# Altium PCB eco_car_main_pcb_ver1.0.PcbDoc
Units mm, origin at the board's own origin, x right, y up, seen from the top; angles counter-clockwise.
Board outline 77.85 x 28.32 mm, 4 copper layers (Top Layer, GND, POWER, Bottom Layer), stack 0.603 mm thick; 52 components, 61 nets, 217 pads, 151 vias.
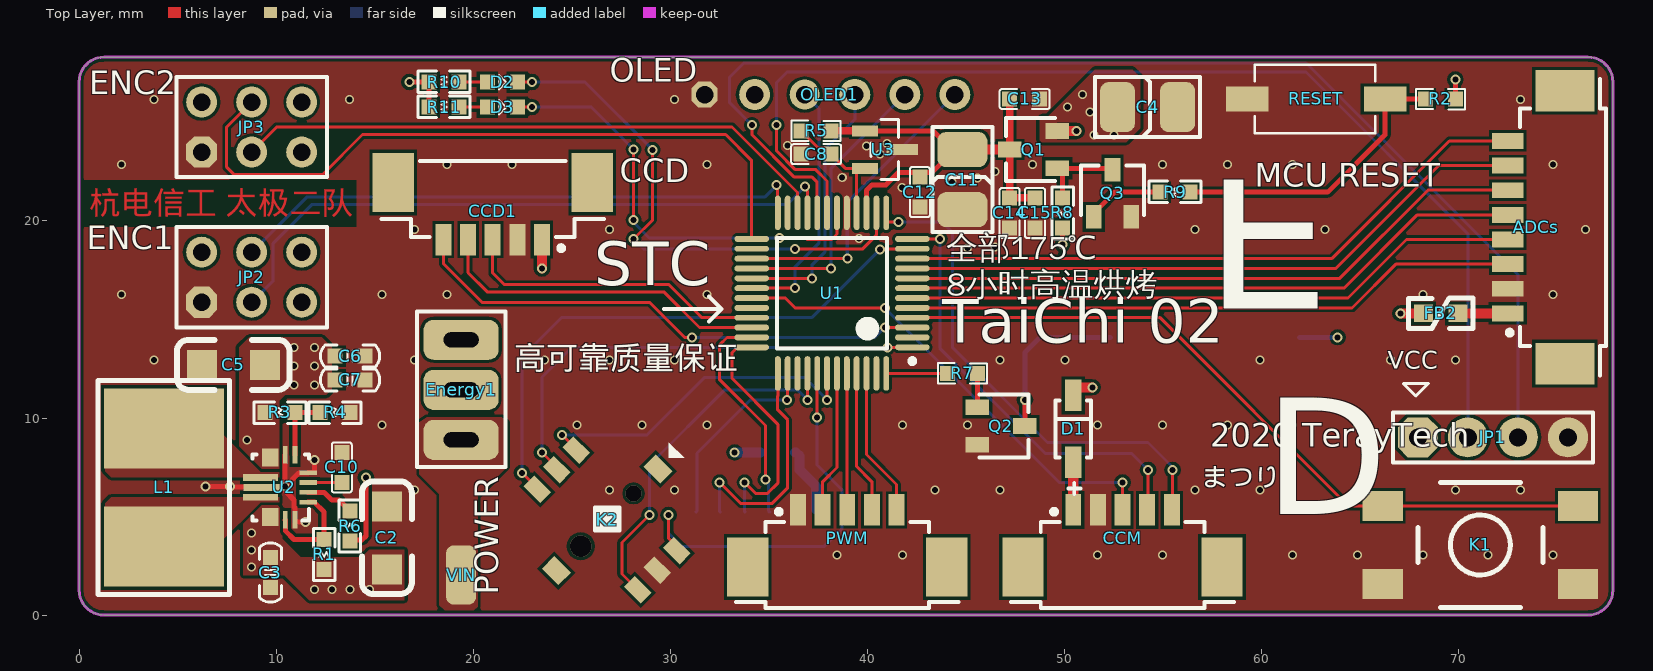
[diagram p0: Top Layer view]
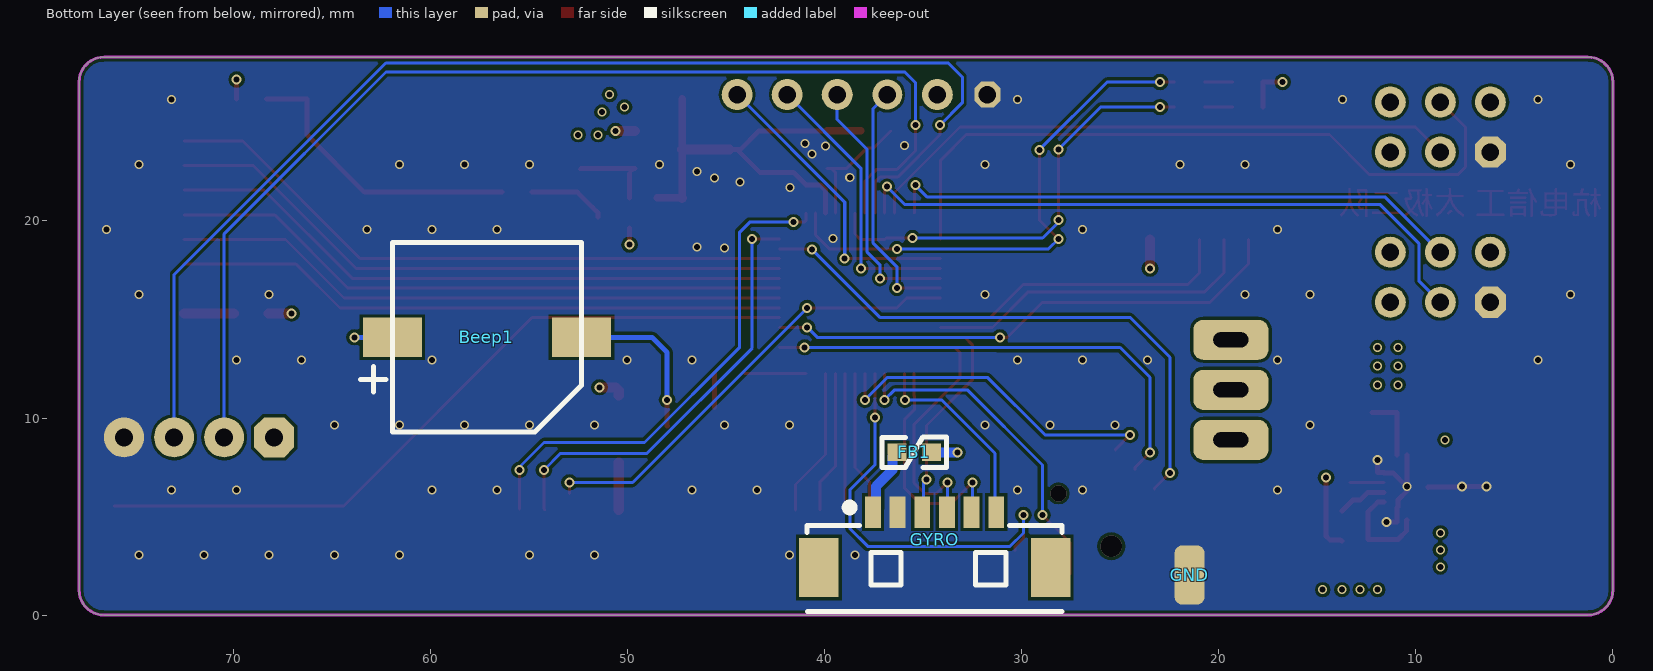
[diagram p1: Bottom Layer view, seen from below]
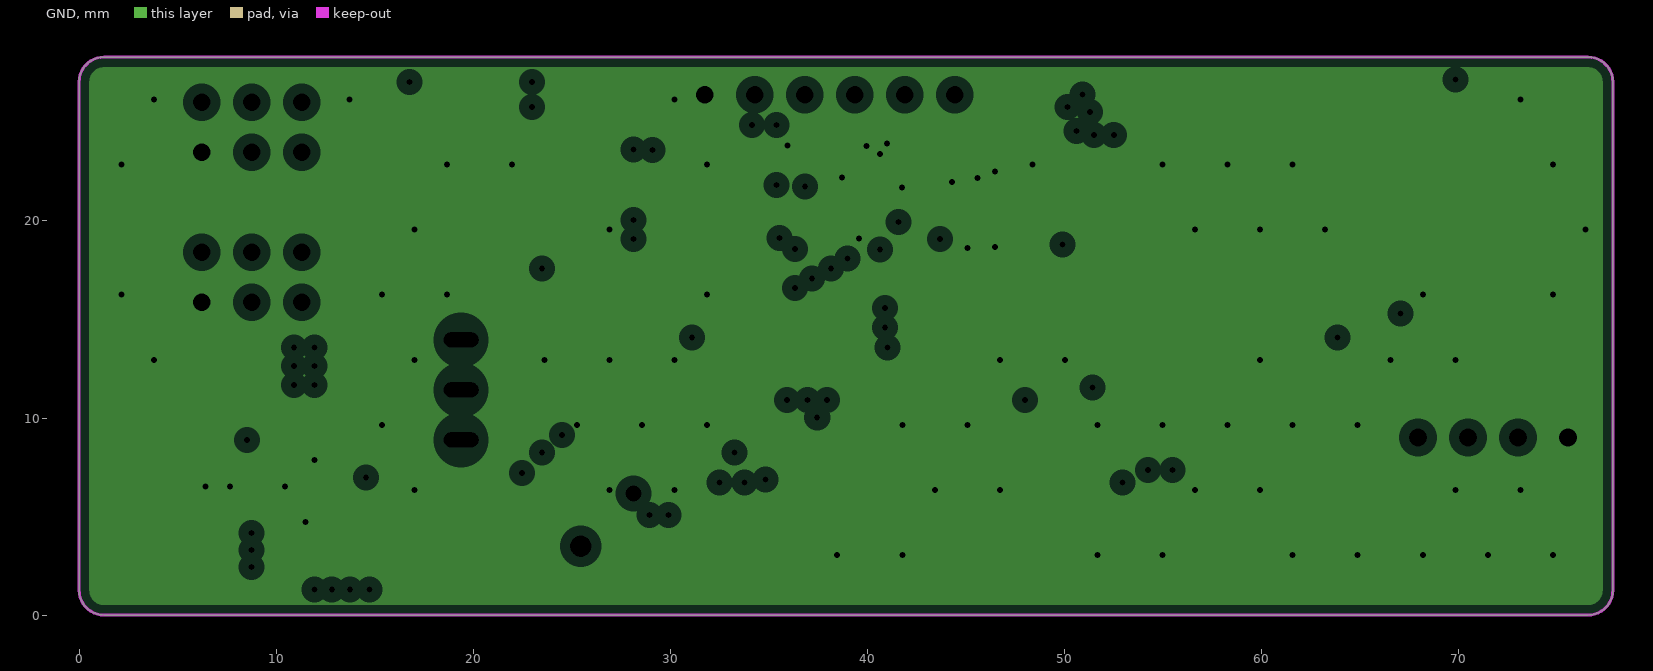
[diagram p2: GND, clearances drawn from the general rule]
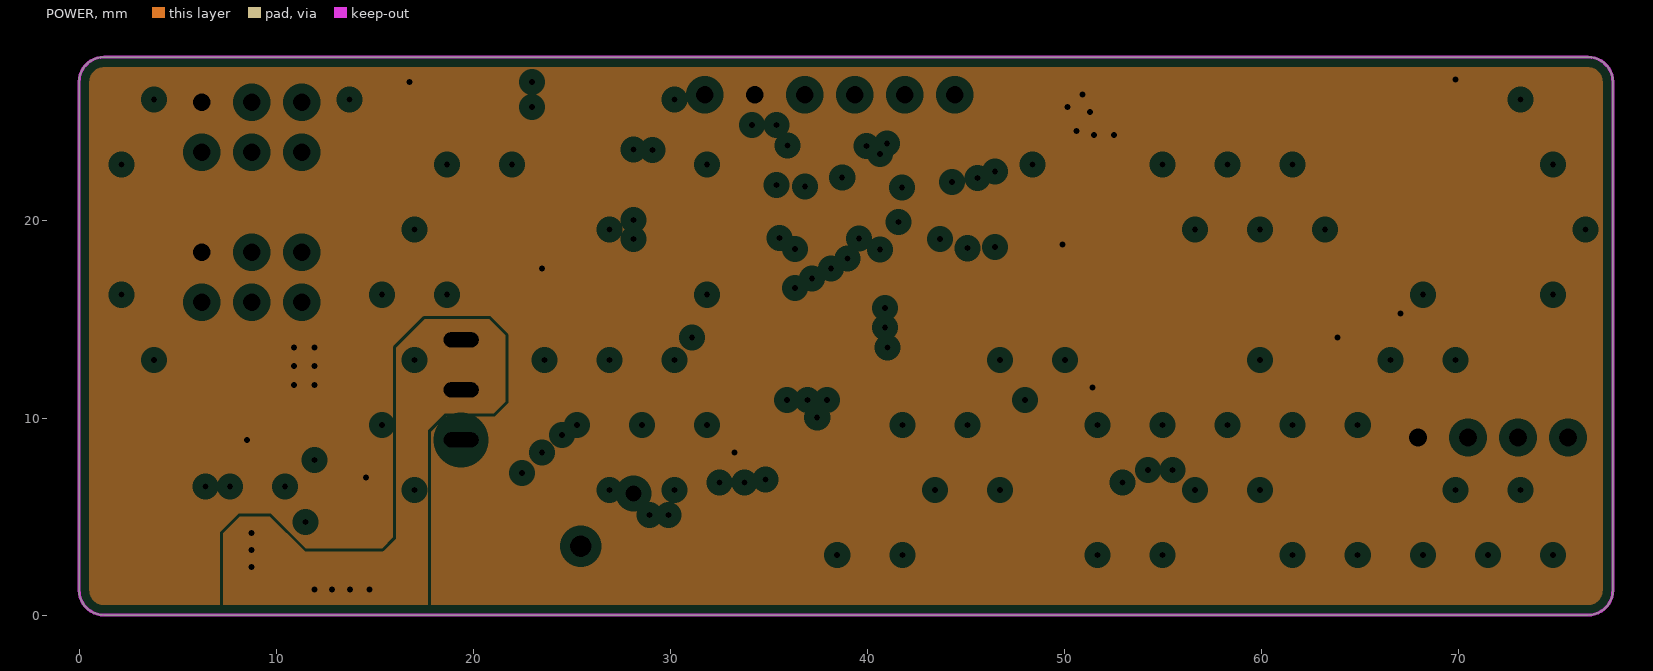
[diagram p3: POWER, clearances drawn from the general rule]
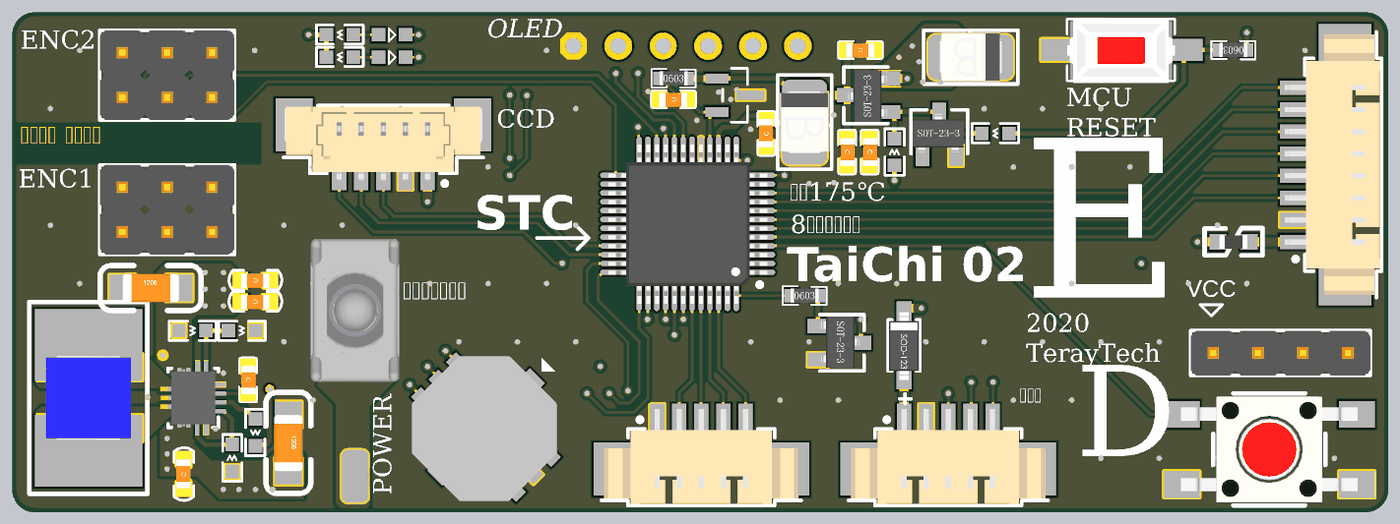
[diagram p4: 3D render of the assembled board from above, using the file's embedded part models]
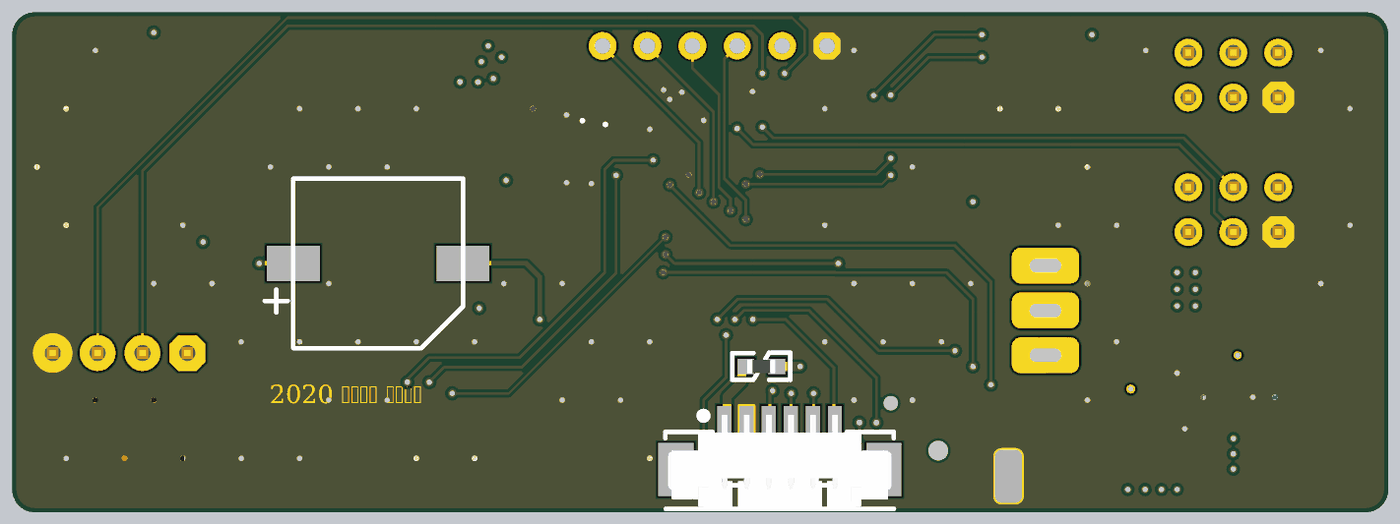
[diagram p5: 3D render of the assembled board from below, using the file's embedded part models]

## Layer stack, top to bottom
Top Solder: solder mask 0.0102, Solder Resist, Dk 3.5
Top Layer: signal copper 0.0356
Dielectric 2: prepreg 0.0711, PP-006, Dk 4.1
GND: plane copper 0.035, net GND
Dielectric 3: prepreg 0.0711, PP-006, Dk 4.1
POWER: plane copper 0.035, net (Multiple Nets)
Dielectric 1: dielectric 0.32, FR-4, Dk 4.8
Bottom Layer: signal copper 0.0356
Bottom Solder: solder mask 0.0102, Solder Resist, Dk 3.5

## Board outline
0,1.27 0,27.051 cw(c1.27,27.051) 1.27,28.321 76.581,28.321 cw(c76.581,27.051) 77.851,27.051 77.851,1.27 cw(c76.581,1.27) 76.581,0 1.27,0 cw(c1.27,1.27)

## Design rules (kind name [scope] priority, off if disabled: settings)
Clearance [All] p1: gap=0.152 ignorepadtopadclearanceinfootprint=TRUE except(0: Arc-Hole Track-Hole SMDPad-Hole THPad-Hole Via-Hole Fill-Hole Poly-Hole Region-Hole Text-Hole; 0.254: Arc-Text Track-Text SMDPad-Text THPad-Text Via-Text Fill-Text Poly-Text Region-Text Text-Text)
ComponentClearance [All] p1 off: gap=0.254 collisioncheckmode=3 verticalgap=0.254 showdistances=FALSE
Height [All] p1 off: minheight=0 maxheight=25.4 prefheight=12.7
PlaneClearance [All] p1: clearance=0.508
PlaneConnect [All] p1: planeconnectstyle=Direct reliefexpansion=0.508 reliefentries=4 reliefconductorwidth=0.254 reliefairgap=0.254
PolygonConnect PolygonConnect_1 [All] p1: connectstyle=Direct reliefconductorwidth=0.254 reliefentries=4 polygonreliefangle="90 Angle" airgapwidth=0.254
PolygonConnect Poly_vias [IsVia] p2: connectstyle=Direct reliefconductorwidth=0.254 reliefentries=4 polygonreliefangle="90 Angle" airgapwidth=0.254
PolygonConnect [InNet('GND')] p3: connectstyle=Relief reliefconductorwidth=0.254 reliefentries=4 polygonreliefangle="90 Angle" airgapwidth=0.254
RoutingVias [All] p1: holewidth=0.305 width=0.508 viastyle="Through Hole" minholewidth=0.305 minwidth=0.457 maxholewidth=0.711 maxwidth=1.27
SolderMaskExpansion [All] p1: expansion=0.102 istentingtop=FALSE
Width [All] p1: maxlimit=0.508 minlimit=0.152 preferedwidth=0.254 minimp=50.000000 maximp=50.000000 favimp=50.000000
26 further rules are at their usual default settings.

## Components (designator, comment, footprint, x,y, rotation, side; value= is the part's Value field where it differs from the comment)
ADCs "HEADER-8PIN" HEADER_8P_1.25_RT 75.311,19.685 r90 top
Beep1 "Buzzer" BUZZER_9.6*9.6*5mm 57.15,14.097 r0 bottom
C2 "1uF" C1206 15.621,5.513 r270 top value=104
C3 "1uF" 0603_C 9.711,2.159 r90 top value=104
C4 "22uF" CAPC3528B 54.483,25.527 r180 top value=104
C5 "22uF" C1206 6.237,12.7 r0 top value=104
C6 "2.2uF" 0603_C 13.755,13.144 r180 top value=104
C7 "0.01uF" 0603_C 13.755,11.938 r180 top value=104
C8 "0.01uF" 0603_C 37.414,23.39 r180 top value=104
C10 "100nF" 0603_C 13.335,7.493 r270 top value=104
C11 "10uF, 25V TypeB" CAPC3528B 45.085,22.352 r270 top value=104
C12 "2.2uF" 0603_C 42.672,21.463 r90 top value=104
C13 "0.01uF" 0603_C 47.993,26.191 r180 top value=104
C14 "0.01uF" 0603_C 47.231,20.406 r270 top value=104
C15 "2.2uF" 0603_C 48.514,20.406 r270 top value=104
CCD1 "HEADER-5PIN" HEADER_5P_1.25_up 20.995,21.12 r180 top
CCM "HEADER-5PIN" HEADER_5P_1.25_RT 52.959,2.54 r0 top
D1 "1N5819" SOD123 50.459,7.747 r270 top
D2 "LED" 0603_LED 21.463,27.051 r0 top
D3 "LED" 0603_LED 21.463,25.781 r0 top
Energy1 "Tolggle_swith" "TOGGLE SWICH STAND" 19.393,11.43 r90 top
FB1 "120R 100MHZ" FB0603 35.471,8.255 r0 bottom
FB2 "120R 100MHZ" FB0603 69.101,15.31 r180 top
GND "PAD" PAD 21.483,2.032 r90 bottom
GYRO "6PIN" "MX 1.25-WS-6P" 34.417,2.413 r180 bottom
JP1 "header" header4 67.945,9.017 r0 top
JP2 "header" header2X3 6.223,15.875 r0 top
JP3 "header" header2X3 6.223,23.495 r0 top
K1 "KEY" 贴片复位开关 71.12,3.556 r0 top
K2 "TSW_5" TSW-10 26.797,4.826 r0 top
L1 "1.5uH" "L 5x5" 4.318,6.477 r180 top
OLED1 "header" "0.96寸OLED模块 - 2" 31.75,26.416 r0 top locked
PWM "HEADER-5PIN" HEADER_5P_1.25_RT 38.989,2.54 r0 top
Q1 "AO3401" SOT-23-3 47.371,21.415 r90 top
Q2 "NPN2" SOT-23-3 47.866,11.801 r270 top
Q3 "NPN S8050" SOT-23-3 50.244,22.479 r0 top
R1 "10KΩ" 0603_R 12.434,3.075 r270 top value=1K
R2 "10K" 0603_R 69.088,26.191 r180 top value=1K
R3 "470kΩ" 0603_R 10.199,10.287 r180 top value=1K
R4 "150kΩ" 0603_R 12.993,10.287 r180 top value=1K
R5 "OR" 0603_R 37.414,24.572 r0 top value=1K
R6 "100KΩ" 0603_R 13.755,4.515 r90 top value=1K
R7 "1K" 0603_R 44.831,12.264 r0 top
R8 "10K" 0603_R 49.911,20.406 r270 top value=1K
R9 "1K" 0603_R 55.626,21.463 r0 top
R10 "1K" 0603_R 18.533,27.051 r0 top
R11 "1K" 0603_R 18.533,25.781 r0 top
RESET "KEY" KEY_2 62.992,25.781 r180 top
U1 "STC MCU" LQFP48 38.227,16.383 r180 top
U2 "TPS63070RNMR" RNM0015A 10.236,6.477 r180 top value=Value
U3 "REF3033" DBZ3 40.894,23.622 r270 top value=Value
VIN "PAD" PAD 19.393,2.032 r90 top

## Footprints (in the part's own frame and the unit in brackets; to place one, negate y for a bottom-side part, rotate by r counter-clockwise, add the part's x,y. Pads: shape width x height; smd on the part's side, far side on the other; paste and mask are expansions set on the pad)
"0.96寸OLED模块 - 2" [mil]
  oct 52x52 hole 35: 1(0,0)
  round 62 hole 35: 2(100,0) 4(300,0) 5(400,0) 6(500,0)
  round 60 hole 35: 3(200,0)
0603_C [mil] "Capacitor"
  rect 30x30 smd: 1(-30,0) 2(30,0)
  silkscreen extent -59,-22 59,22, body extent -51,-18 52,21, height 35
0603_LED [mil]
  rect 30x30 smd: 1(-29,0) 2(31,0)
  silkscreen extent -6,-15 9,14, body extent -31,-16 31,16, height 24
0603_R [mil]
  rect 30x30 smd: 1(-30,0) 2(30,0)
  silkscreen extent -52,-21 52,22, body extent -34,-19 34,19, height 39
BUZZER_9.6*9.6*5mm [mm]
  rect 3x2 smd: 1(4.8,0) 2(-4.8,0)
  silkscreen extent -4.8,-4.8 6.41,4.8, body extent -4.97,-4.8 5.03,4.8, height 5
C1206 [mil] "3216/A型"
  rect 60x60 smd: 1(0,0) 2(126,0)
  silkscreen extent -50,-50 175,50, body extent 0,-31 126,32, height 39
CAPC3528B [mil]
  rrect50% 70x100 smd: 1(-50,-10) 2(70,-10)
  silkscreen extent -95,-70 115,50, body extent -59,-65 79,45, height 75
DBZ3 [mil]
  rect 22x52 smd: 1(-37.4,-40) 2(37.4,-40)
  rect 22x62.5 smd: 3(0,34.75)
  silkscreen extent -60,-28 60,28, body extent -57,-49 58,50, height 48
FB0603 [mil] "1/10W"
  rect 38x35 smd: 1(-34.5,0) 2(34.5,0)
  silkscreen extent -64,-31 64,30, body extent -31,-16 32,16, height 31
header2X3 [mil]
  oct 62x62 hole 35: 1(0,0)
  round 62 hole 35: 2(0,100) 3(100,0) 4(100,100) 5(200,0) 6(200,100)
  silkscreen extent -50,-50 250,150, body extent -50,-50 250,150, height 398
header4 [mil]
  oct 80x80 hole 36: 1(0,0)
  round 80 hole 36: 2(100,0) 3(200,0) 4(300,0)
  silkscreen extent -50,-50 350,50, body extent -50,-50 350,50, height 398
HEADER_5P_1.25_RT [mm]
  rect 0.81x1.6 smd: 1(-2.5,2.8) 2(-1.25,2.8) 3(0,2.8) 4(1.25,2.8) 5(2.5,2.8)
  rect 2.1x3 smd: MP1(-5.05,-0.1) MP2(5.05,-0.1)
  silkscreen extent -5.65,-2.17 5.65,2.82, body extent -5.5,-2.1 5.5,3.3, height 3.4
HEADER_5P_1.25_up [mm]
  rect 0.81x1.6 smd: 1(-2.5,2.07) 2(-1.25,2.07) 3(0,2.07) 4(1.25,2.07) 5(2.5,2.07)
  rect 2.1x3 smd: MP1(-5.05,-0.83) MP2(5.05,-0.83)
  silkscreen extent -5.65,-1.92 5.65,2.62, body extent -5.6,-1.85 5.6,2.36, height 4.74
HEADER_8P_1.25_RT [mm]
  rect 0.81x1.6 smd: 1(-4.375,2.8) 2(-3.125,2.8) 3(-1.875,2.8) 4(-0.625,2.8) 5(0.625,2.8) 6(1.875,2.8) 7(3.125,2.8) 8(4.375,2.8)
  rect 2.1x3 smd: MP1(-6.925,-0.1) MP2(6.925,-0.1)
  silkscreen extent -7.52,-2.17 7.52,2.82, body extent -7.38,-2.1 7.37,3.3, height 3.4
KEY_2 [mm] "贴片"
  rect 2.159x1.254 smd: 1(-3.291,-0.41) 2(3.709,-0.41)
  silkscreen extent -2.78,-2.16 3.31,1.34, body extent -2.8,-2.23 3.3,1.47
"L 5x5" [mil]
  rect 240x160 smd: 1(0,118.11) 2(0,-118.11)
  silkscreen extent -131,-214 132,214, body extent -94,-94 95,94, height 110
LQFP48 [mm]
  oval 1.75x0.3 smd: 1(-4.064,2.794) 2(-4.064,2.294) 3(-4.064,1.794) 4(-4.064,1.294) 5(-4.064,0.794) 6(-4.064,0.294) 7(-4.064,-0.206) 8(-4.064,-0.706) 9(-4.064,-1.206) 10(-4.064,-1.706) 11(-4.064,-2.206) 12(-4.064,-2.706) 25(4.086,-2.706) 26(4.086,-2.206) 27(4.086,-1.706) 28(4.086,-1.206) 29(4.086,-0.706) 30(4.086,-0.206) 31(4.086,0.294) 32(4.086,0.794) 33(4.086,1.294) 34(4.086,1.794) 35(4.086,2.294) 36(4.086,2.794)
  oval 0.3x1.75 smd: 13(-2.739,-4.031) 14(-2.239,-4.031) 15(-1.739,-4.031) 16(-1.239,-4.031) 17(-0.739,-4.031) 18(-0.239,-4.031) 19(0.261,-4.031) 20(0.761,-4.031) 21(1.261,-4.031) 22(1.761,-4.031) 23(2.261,-4.031) 24(2.761,-4.031) 37(2.761,4.119) 38(2.261,4.119) 39(1.761,4.119) 40(1.261,4.119) 41(0.761,4.119) 42(0.261,4.119) 43(-0.239,4.119) 44(-0.739,4.119) 45(-1.239,4.119) 46(-1.739,4.119) 47(-2.239,4.119) 48(-2.739,4.119)
  silkscreen extent -4.19,-2.76 2.81,3.62, body extent -4.5,-4.44 4.5,4.56, height 1.56
"MX 1.25-WS-6P" [mm] "长：12.65mm，宽：4.2mm，高：3.4mm"
  rect 2x3 smd: 0(-5.882,0) 0(5.882,0)
  rect 0.8x1.6 smd: 1(-3.139,2.811) 2(-1.889,2.811) 3(-0.639,2.811) 4(0.611,2.811) 5(1.861,2.811) 6(3.111,2.811)
  silkscreen extent -6.48,-2.23 6.45,3.25, body extent -6.32,-2.1 6.32,3.09, height 3.4
PAD [mm]
  rrect50% 3x1.524 smd: 1(0,0)
RNM0015A [mm]
  rect 0.889x0.24 smd paste+0 mask+0.051: 1(-1.397,0.75) 2(-1.397,0.25) 3(-1.397,-0.25) 4(-1.397,-0.75)
  rect 0.24x0.889 smd paste+0 mask+0.051: 5(-0.725,-1.651) 6(-0.225,-1.651) 14(-0.225,1.651) 15(-0.725,1.651)
  rect 0.85x0.7 smd paste-0.35 mask-0.356: 7(0.525,-1.4) 12(0.525,1.4)
  rect 0.85x0.889 smd paste-0.35 mask-0.356: 8(0.525,-1.524) 13(0.525,1.524)
  rect 1.778x0.35 smd paste-0.712 mask-0.051: 9(1.016,-0.5) 11(1.016,0.5)
  rect 2.083x0.343 smd paste-0.887 mask-0.051: 10(0.838,0)
  silkscreen extent -1.43,-1.68 1.43,1.68, body extent -1.25,-1.5 1.25,1.5, height 1.1
SOD123 [mm] "1206"
  rect 1.6x0.85 smd: 1(0,0) 2(-3.4,0)
  silkscreen extent -3.15,-0.9 1.6,0.9, body extent -3.6,-0.85 0.25,0.85, height 1.42
SOT-23-3 [mm]
  rect 0.8x1.2 smd: 1(1.257,-2.273) 2(3.157,-2.273) 3(2.207,0.127)
  silkscreen extent 0.61,-2.17 3.81,0.33, body extent 0.71,-2.42 3.61,0.38
"TOGGLE SWICH STAND" [mil]
  rrect50% 80x150 hole 30 slot 70 at 90 deg: 1(-100,0) 2(0,0) 3(100,0)
  silkscreen extent -154,-89 156,88, body extent -159,-98 159,98, height 780
TSW-10 [mm]
  rect 1.2x0.9 smd rot 135: 0(-2.575,-2.575) 0(2.587,2.587)
  rect 1.2x0.8 smd rot 135: 1(-1.56,3.54) 2(-2.55,2.55) 3(-3.54,1.56) 4(1.56,-3.54) 5(2.55,-2.55) 6(3.54,-1.56)
  silkscreen extent -0.64,-0.57 3.92,3.92, body extent -5.6,-5.61 5.43,5.42, height 4.5
贴片复位开关 [mil]
  rect 80x60 smd: 1(-195,78) 1(195,78) 2(-195,-78) 2(195,-78)
  silkscreen extent -125,-125 125,125, body extent -197,-118 197,118, height 175

## Part data
C2 C3 C5 C6 C7 C8 C10 C12 C13 C14 C15: library part CAP, "Capacitor", LatestRevisionDate=17-Jul-2002, LatestRevisionNote="Re-released for DXP Platform.", PackageReference=RAD-0.3, Published=8-Jun-2000, Publisher="Altium Limited"
C4 C11: library part CAP_tan, "Capacitor", LatestRevisionDate=17-Jul-2002, LatestRevisionNote="Re-released for DXP Platform.", PackageReference=RAD-0.3, Published=8-Jun-2000, Publisher="Altium Limited"
D1: "40V 1A PEAK 25a"
D2 D3: "LED 发光二极管"
FB1 FB2: library part FB, "120OHM@100MHZ 2A 25% 0603"
GYRO: library part HEADER-6PIN
JP1: library part "HEADER 4"
JP2 JP3: library part "HEADER 3X2"
K1 RESET: library part KEY_2, "Switch", LatestRevisionDate=17-Jul-2002, LatestRevisionNote="Re-released for DXP Platform.", PackageReference=SPST-2, Published=24-Mar-1999, Publisher="Altium Limited"
K2: "方向开关"
L1: library part Inductor
OLED1: library part "HEADER 6"
Q1: library part p-MOSEFT_SMALL
Q2: "贴片"
Q3: library part NPN2, "贴片"
R1 R2 R3 R4 R5 R6 R8 R9 R10 R11: library part RES0, "Resistor", Published=8-Jun-2000, Publisher="Altium Limited", Revision="July-2002: Re-released for DXP Platform."
R7: library part RES, "Resistor", Published=8-Jun-2000, Publisher="Altium Limited", Revision="July-2002: Re-released for DXP Platform."
U1: library part STC8G2K64S4
U2: "Imported", Manufacturer="Texas Instruments", PartNumber=TPS63070RNMR, RefDes=RefDes, Type=TYPE
U3: library part REF3033_DBZ_3, "Imported", Manufacturer="Texas Instruments", Manufacturer_Part_Number=ref3033_dbz_3, PACKAGE_DESIGNATOR=DBZ, Datasheet URL=http://www.ti.com/lit/gpn/REF3033, FAMILY_NAME="SERIES VOLTAGE REFERENCE", GENERIC_PART_NUMBER=REF3033, INDUSTRY_STD_PKG_TYPE=SOT-23, PIN_COUNT=3, RefDes=RefDes, Type=DEV, Vendor="Texas Instruments"

## Via types
v1: diameter 0.457, hole 0.305, Top Layer to Bottom Layer, tented both sides, 95 vias
v2: diameter 0.508, hole 0.305, Top Layer to Bottom Layer, tented both sides, 52 vias
v3: diameter 0.508, hole 0.305, Top Layer to Bottom Layer, 1 vias
v4: diameter 0.457, hole 0.305, Top Layer to Bottom Layer, 1 vias
v5: diameter 1.1, hole 1.1, Top Layer to Bottom Layer, tented both sides, 1 vias
v6: diameter 0.8, hole 0.8, Top Layer to Bottom Layer, tented both sides, 1 vias

## Nets (pads, with @x,y where several pads share a name; then routed paths per layer and width w, separated by ;. In a path a pad name is that pad's centre, name@x,y a point inside that pad or via, vN(x,y) a via of type N, cw(c..) or ccw(c..) an arc to the next point about the centre after c; other vN are vias at no path point)
ADC_CH1: ADCs.3 U1.5 | length 31.1
  Top Layer w0.152: U1.5 64.611,15.589 66.832,17.81 ADCs.3
ADC_CH2: ADCs.4 U1.6 | length 31.5
  Top Layer w0.152: U1.6 64.404,16.089 67.375,19.06 ADCs.4
ADC_CH3: ADCs.5 U1.7 | length 31.8
  Top Layer w0.152: U1.7 64.197,16.589 67.918,20.31 ADCs.5
ADC_CH4: ADCs.6 U1.8 | length 32.1
  Top Layer w0.152: U1.8 63.989,17.089 68.461,21.56 ADCs.6
ADC_CH5: ADCs.7 U1.9 | length 32.4
  Top Layer w0.152: U1.9 63.782,17.589 69.004,22.81 ADCs.7
ADC_CH6: ADCs.8 U1.10 | length 32.7
  Top Layer w0.152: U1.10 63.575,18.089 69.546,24.06 ADCs.8
BEEP: R7.1 U1.48 | length 3.1
  Top Layer w0.152: U1.48 R7.1
CCD_AN1: CCD1.5 U1.3 | length 26.8
  Top Layer w0.152: CCD1.5 18.495,17.827 20.447,15.875 28.956,15.875 30.734,14.097 v2(31.115,14.097) ; v2(40.894,14.605) 40.902,14.597 42.283,14.597 U1.3
  Bottom Layer w0.152: v2(31.115,14.097) 40.386,14.097 v2(40.894,14.605)
CCD_CLK: CCD1.3 U1.33 | length 15.8
  Top Layer w0.152: CCD1.3 20.995,17.359 21.59,16.764 29.94,16.764 31.615,15.089 U1.33
CCD_SI: CCD1.4 U1.34 | length 17.2
  Top Layer w0.152: CCD1.4 19.745,17.379 20.741,16.383 29.702,16.383 31.496,14.589 U1.34
CHG_PWM: CCM.3 U1.31 | length 23.2
  Top Layer w0.152: U1.31 35.847,16.089 36.347,15.589 v2(40.894,15.589) ; 52.959,6.175 v2(52.959,6.731)
  Bottom Layer w0.152: v2(40.894,15.589) 49.752,6.731 v2(52.959,6.731)
ENC_DIR1: JP2.4 U1.24 | length 29.5
  Top Layer w0.152: v2(35.407,21.818) 35.45,21.775 35.45,20.43 U1.24
  Bottom Layer w0.152: JP2.4 11.557,21.209 34.798,21.209 v2(35.407,21.818)
ENC_DIR2: JP3.4 U1.25 | length 36
  Top Layer w0.152: JP3.4 7.493,24.765 7.493,22.733 7.874,22.352 12.358,22.352 14.39,24.384 32.819,24.384 34.141,23.062 U1.25
ENC_LSB1: JP2.3 U1.21 | length 33
  Top Layer w0.152: v2(36.843,21.742) 36.843,21.646 36.966,21.523 U1.21
  Bottom Layer w0.152: JP2.3 9.852,16.964 9.852,18.869 11.811,20.828 35.928,20.828 v2(36.843,21.742)
ENC_LSB2: JP3.3 U1.22 | length 30.6
  Top Layer w0.152: JP3.3 10.033,24.765 33.142,24.765 36.466,21.441 U1.22
GND: ADCs.2 C2.1 C3.1 C4.1 C5.1 C6.1 C7.1 C8.2 C10.1 C11.2 C12.1 C13.1 C14.2 C15.2 CCD1.2 CCM.2 GND.1 GYRO.2 JP1.4 JP2.1 JP3.1 K1.2 K2.5 OLED1.1 PWM.1 Q2.2 Q3.2 R4.1 RESET.2 U1.17 U2.4 U2.6 U2.10 U2.15 U3.3 | length 9.6
  Top Layer w0.254: v2(6.414,6.515) v2(7.659,6.515) 7.677,6.496 9.379,6.496 U2.10 ; U2.6 v1(10.461,6.515) ; v2(11.505,4.72) 10.968,4.72 10.961,4.727 U2.15 10.954,4.833 10.954,5.446 10.909,5.491 10.909,5.836 10.461,6.284 v1(10.461,6.515) ; v2(11.944,7.881) 11.944,7.234 11.937,7.227 U2.4 11.626,7.22 11.167,7.22 v1(10.461,6.515)
  other v1: 38.481,3.048 41.783,3.048 51.689,3.048 54.991,3.048 61.595,3.048 64.897,3.048 68.199,3.048 71.501,3.048 74.803,3.048 17.018,6.35 26.924,6.35 30.226,6.35 43.434,6.35 46.736,6.35 56.642,6.35 59.944,6.35 69.85,6.35 73.152,6.35 15.367,9.652 25.273,9.652 28.575,9.652 31.877,9.652 41.783,9.652 45.085,9.652 51.689,9.652 54.991,9.652 58.293,9.652 61.595,9.652 64.897,9.652 3.81,12.954 17.018,12.954 23.622,12.954 26.924,12.954 30.226,12.954 46.736,12.954 50.038,12.954 59.944,12.954 66.548,12.954 69.85,12.954 2.159,16.256 15.367,16.256 18.669,16.256 31.877,16.256 68.199,16.256 74.803,16.256 45.085,18.616 46.492,18.674 39.584,19.112 17.018,19.558 26.924,19.558 56.642,19.558 59.944,19.558 63.246,19.558 76.454,19.558 41.777,21.692 44.294,21.97 45.593,22.184 38.735,22.2 46.492,22.507 2.159,22.86 18.669,22.86 21.971,22.86 31.877,22.86 48.387,22.86 54.991,22.86 58.293,22.86 61.595,22.86 74.803,22.86 40.652,23.39 39.966,23.794 35.966,23.838 40.994,23.923 3.81,26.162 13.716,26.162 30.226,26.162 73.152,26.162
GYRO_MISO: GYRO.5 U1.37 | length 11.8
  Top Layer w0.152: v2(32.512,6.731) 33.591,5.652 35.158,5.652 35.966,6.46 35.966,9.906 35.458,10.414 35.458,11.122 35.466,11.13 U1.37
  Bottom Layer w0.152: v2(32.512,6.731) 32.512,5.267 GYRO.5
GYRO_MOSI: GYRO.4 U1.36 | length 12.3
  Top Layer w0.152: v2(33.782,6.731) 34.338,6.175 34.946,6.175 35.466,6.695 35.466,9.683 33.147,12.002 33.147,13.32 33.416,13.589 U1.36
  Bottom Layer w0.152: v2(33.782,6.731) 33.782,5.247 GYRO.4
GYRO_SCL: GYRO.6 U1.38 | length 10.1
  Top Layer w0.152: v2(35.941,10.922) 35.954,10.935 35.954,12.251 U1.38
  Bottom Layer w0.152: GYRO.6 31.369,5.287 31.369,8.211 34.08,10.922 v2(35.941,10.922)
GYRO_SS: GYRO.3 U1.35 | length 11.3
  Top Layer w0.152: U1.35 32.885,14.089 32.512,13.716 32.512,11.938 34.835,9.615 v2(34.835,6.879)
  Bottom Layer w0.152: v2(34.835,6.879) 34.983,6.731 34.983,5.296 GYRO.3
KEY1: K2.2 U1.1 | length 24.4
  Top Layer w0.152: v2(23.495,8.255) 24.247,7.503 K2.2 ; v2(41.021,13.589) U1.1
  Bottom Layer w0.152: v2(23.495,8.255) 23.495,12.065 25.009,13.579 31.279,13.579 31.289,13.589 v2(41.021,13.589)
KEY2: K1.1 U1.4 | length 37.7
  Top Layer w0.152: U1.4 54.869,15.089 64.42,5.537 66.167,5.537 K1.1@76.073,5.537
KEY3: K2.3 U1.11 | length 29.1
  Top Layer w0.152: v2(22.479,7.22) 23.257,6.442 K2.3 ; v2(40.64,18.542) 40.663,18.565 42.268,18.565 U1.11
  Bottom Layer w0.152: v2(22.479,7.22) 22.479,13.081 24.511,15.113 37.211,15.113 v2(40.64,18.542)
KEY4: K2.4 U1.40 | length 18.4
  Top Layer w0.152: K2.4 27.559,2.084 27.559,3.68 v2(28.956,5.077) ; v2(36.966,10.922) U1.40
  Bottom Layer w0.152: v2(28.956,5.077) 28.956,7.62 32.766,11.43 36.458,11.43 v2(36.966,10.922)
KEY5: K2.6 U1.41 | length 20.8
  Top Layer w0.152: v2(29.921,5.077) 29.921,3.895 30.337,3.479 K2.6 ; v2(37.466,10.033) U1.41
  Bottom Layer w0.152: v2(29.921,5.077) 29.921,4.169 30.602,3.488 37.827,3.488 38.735,4.396 38.735,6.35 37.466,7.619 v2(37.466,10.033)
KEY6: K2.1 U1.42 | length 17.6
  Top Layer w0.152: v2(24.511,9.144) 25.237,8.418 K2.1 ; v2(37.966,10.922) U1.42
  Bottom Layer w0.152: v2(24.511,9.144) 28.829,9.144 31.75,12.065 36.823,12.065 v2(37.966,10.922)
LED0: D2.2 U1.14 | length 27.2
  Top Layer w0.152: D2.2 v2(22.987,27.051) ; v2(28.146,19.089) 29.111,20.054 v2(29.111,23.612) ; v2(36.347,18.589) 39.778,18.589 40.466,19.277 U1.14
  Bottom Layer w0.152: v2(22.987,27.051) 25.672,27.051 v2(29.111,23.612) ; v2(28.146,19.089) 28.646,18.589 v2(36.347,18.589)
LED1: D3.2 U1.18 | length 22.3
  Top Layer w0.152: D3.2 v2(22.987,25.781) ; v2(28.146,20.054) v2(28.146,23.635) ; v2(35.555,19.14) 36.89,19.14 36.958,19.071 38.198,19.071 38.466,19.34 U1.18
  Bottom Layer w0.152: v2(22.987,25.781) 26,25.781 v2(28.146,23.635) ; v2(28.146,20.054) 28.146,19.939 28.946,19.14 v2(35.555,19.14)
MR_EN1: PWM.4 U1.45 | length 7.2
  Top Layer w0.152: U1.45 39.466,7.539 40.239,6.766 PWM.4
MR_EN2: PWM.5 U1.46 | length 7.6
  Top Layer w0.152: U1.46 39.966,8.154 41.489,6.631 PWM.5
MR_PWM1: PWM.2 U1.43 | length 7.2
  Top Layer w0.152: PWM.2 37.739,6.766 38.466,7.493 U1.43
MR_PWM2: PWM.3 U1.44 | length 6.9
  Top Layer w0.152: U1.44 38.966,5.363 PWM.3
NetADCs_1: ADCs.1 FB2.1 | length 2.5
  Top Layer w0.508: FB2.1 ADCs.1
NetBeep1_2: Beep1.2 Q2.3 | length 8.4
  Top Layer w0.254: Q2.3 48.006,9.607 v2(48.006,10.922)
  Bottom Layer w0.254: v2(48.006,10.922) 48.006,13.335 48.768,14.097 Beep1.2
NetC10_2: C10.2 U2.3 | length 1.7
  Top Layer w0.152: U2.3 13.331,6.727 C10.2
NetCCM_1: CCM.1 D1.1 | length 2.4
  Top Layer w0.508: CCM.1 D1.1
NetD2_1: D2.1 R10.2 | length 1.4
  Top Layer w0.152: R10.2 D2.1
NetD3_1: D3.1 R11.2 | length 1.4
  Top Layer w0.152: R11.2 D3.1
NetFB1_2: FB1.2 GYRO.1 | length 3.6
  Bottom Layer w0.508: FB1.2 36.386,8.255 36.576,8.064 36.576,7.366 37.41,6.532 37.41,5.37 GYRO.1
NetJP1_2: JP1.2 U1.19 | length 57.3
  Top Layer w0.152: v2(35.407,24.865) 35.407,23.55 36.351,22.606 37.392,22.606 37.966,22.032 U1.19
  Bottom Layer w0.152: v2(35.407,24.865) 35.407,27.025 35.941,27.559 62.271,27.559 70.485,19.345 JP1.2
NetJP1_3: JP1.3 U1.20 | length 62.3
  Top Layer w0.152: v2(34.15,24.865) 34.15,24.376 36.301,22.225 37.211,22.225 37.466,21.97 U1.20
  Bottom Layer w0.152: v2(34.15,24.865) 33.02,25.995 33.02,27.305 33.731,28.016 62.281,28.016 73.025,17.272 JP1.3
NetL1_1: L1.1 U2.11
NetL1_2: L1.2 U2.9
NetQ1_1: Q1.1 Q3.3 R8.1 | length 4.4
  Top Layer w0.152: Q1.1 Q1.1@49.911,22.405 ; Q3.3@52.385,22.672 Q3.3
  Top Layer w0.254: Q1.1 Q3.3@52.385,22.672 ; R8.1 Q1.1@49.911,22.405
NetQ2_1: Q2.1 R7.2 | length 1.7
  Top Layer w0.254: Q2.1 R7.2
NetQ3_1: Q3.1 R9.1 | length 4
  Top Layer w0.254: Q3.1 51.501,20.406 51.774,20.679 52.558,21.463 R9.1
NetR1_1: R1.1 U2.1 U2.14 | length 5.1
  Top Layer w0.254: U2.14 10.468,4.819 10.468,4.278 10.909,3.837 R1.1 12.434,5.237 11.944,5.727 U2.1
NetR3_1: R3.1 R4.2 U2.5 | length 3.4
  Top Layer w0.254: U2.5 R3.1 R4.2
NetR6_2: R6.2 U2.2 | length 2.5
  Top Layer w0.254: U2.2 12.436,6.227 12.827,5.836 13.196,5.836 R6.2
OLED_DC: OLED1.6 U1.27 | length 15.4
  Top Layer w0.152: U1.27 34.15,18.097 38.982,18.097 v2(38.991,18.106)
  Bottom Layer w0.152: v2(38.991,18.106) 38.989,18.108 38.989,20.955 OLED1.6
OLED_RST: OLED1.5 U1.28 | length 14.4
  Top Layer w0.152: U1.28 v2(38.176,17.589)
  Bottom Layer w0.152: v2(38.176,17.589) 38.176,22.682 OLED1.5
OLED_SCL: OLED1.3 U1.30 | length 12.8
  Top Layer w0.152: U1.30 v2(36.347,16.589)
  Bottom Layer w0.152: v2(36.347,16.589) 36.347,17.678 37.567,18.898 37.567,25.679 OLED1.3
OLED_SDA: OLED1.4 U1.29 | length 13.3
  Top Layer w0.152: U1.29 v2(37.211,17.089)
  Bottom Layer w0.152: v2(37.211,17.089) 37.211,17.78 37.871,18.44 37.871,23.647 39.37,25.146 OLED1.4
P3V3: Beep1.1 C4.2 C5.2 C6.2 C7.2 CCD1.1 D1.2 FB1.1 FB2.2 JP1.1 JP2.2 JP3.2 OLED1.2 Q1.2 R2.1 R3.2 R6.1 R8.2 R10.1 R11.1 U2.7 U2.8 | length 16.1
  Top Layer w0.254: R6.1 13.822,3.819 14.368,3.819 14.562,4.013 v3(14.562,6.977) ; v2(16.764,27.051) R10.1 R11.1 ; v2(49.911,18.796) R8.2 ; R2.1 v2(69.85,27.178)
  Top Layer w0.508: v2(23.495,17.589) CCD1.1 ; Q1.2 v2(50.63,24.572) ; D1.2 50.459,11.386 50.63,11.557 v2(51.435,11.557) ; v2(67.056,15.31) FB2.2
  Bottom Layer w0.254: Beep1.1 v2(63.881,14.097)
  Bottom Layer w0.508: v2(33.274,8.255) FB1.1
  other v1: 10.909,11.684 11.944,11.684 10.909,12.631 11.944,12.631 10.909,13.579 11.944,13.579 51.501,24.373 52.514,24.373 51.308,25.527 50.165,25.781 50.923,26.416
  other v4: 8.518,8.89
P3V3_MCU: C11.1 C12.2 C13.2 C14.1 C15.1 Q1.3 R5.2 U1.15 U3.1 | length 22.2
  Top Layer w0.254: U3.1 43.344,24.572 44.294,23.622 C11.1@44.45,23.622 ; U1.15 39.966,21.555 40.239,21.827 40.95,21.827 41.591,22.469 43.297,22.469 C11.1@44.45,23.622 ; C11.1 C11.1@44.45,23.622
  Top Layer w0.381: R5.2 U3.1 ; C13.2 47.231,23.635 Q1.3 ; C14.1@47.238,21.174 Q1.3@47.238,23.616 ; C14.1@47.244,21.168 C15.1
  Top Layer w0.508: C11.1 Q1.3 Q1.3@47.238,23.616 ; C14.1@47.238,21.174 C14.1@47.244,21.168
POWER: C2.2 C3.2 Energy1.2 Energy1.3 R1.2 U2.12 U2.13
  other v1: 11.944,1.286 12.827,1.286 13.755,1.286 14.732,1.286 8.763,2.44 8.763,3.302 8.756,4.169
PWR_IN: Energy1.1 VIN.1
RST: R2.2 R9.2 RESET.1 | length 15
  Top Layer w0.254: R9.2 63.373,21.463 66.283,24.373 RESET.1 R2.2
VCAP: CCM.4 U1.12 | length 22.1
  Top Layer w0.152: U1.12 v2(43.688,19.089) ; CCM.4 54.255,5.386 v2(54.255,7.366)
  Bottom Layer w0.152: v2(43.688,19.089) 43.688,13.545 49.022,8.211 53.41,8.211 v2(54.255,7.366)
VCOIL: CCM.5 U1.13 | length 25.7
  Top Layer w0.152: U1.13 40.966,20.007 41.034,19.939 v2(41.591,19.939) ; CCM.5@55.499,5.38 v2(55.499,7.366)
  Bottom Layer w0.152: v2(41.591,19.939) 43.815,19.939 44.323,19.431 44.323,13.589 49.149,8.763 54.255,8.763 55.499,7.519 v2(55.499,7.366)
VREF: C8.1 R5.1 U1.16 U3.2 | length 6.4
  Top Layer w0.152: R5.1 37.529,23.695 37.871,23.695 C8.1 38.894,22.672 U3.2@39.669,22.672 ; U1.16 39.466,22.469 U3.2@39.669,22.672 ; U3.2 U3.2@39.669,22.672
pads on no net: ADCs.MP1 ADCs.MP2 CCD1.MP1 CCD1.MP2 CCM.MP1 CCM.MP2 GYRO.0 JP2.5 JP2.6 JP3.5 JP3.6 K2.0 PWM.MP1 PWM.MP2 U1.2 U1.23 U1.26 U1.32 U1.39 U1.47
copper on no net:
  other v5: 25.459,3.488
  other v6: 28.146,6.175

## Polygon pours and split planes (outlines as drawn)
GND on Top Layer "Top Layer-GND" (solid, remove dead copper, pour order 34): -0.381,29.028 -0.381,-0.508 78.564,-0.508 78.564,28.884
P3V3 on Top Layer "P3V3_L01_P043" (solid, pour order 43): 48.812,24.003 53.152,24.003 53.848,24.699 53.848,27.305 53.467,27.686 51.562,27.686 49.149,25.273 48.882,25.273 48.755,25.146 48.755,24.06
PWR_IN on Top Layer "PWR_IN_L01_P042" (solid, pour order 42): 17.653,10.033 21.463,10.033 21.717,9.779 21.717,7.508 20.233,6.024 20.233,0.421 19.939,0.127 18.669,0.127 18.288,0.508 18.288,6.138 17.272,7.154 17.272,9.779
POWER on Top Layer "POWER_L01_P041" (solid, pour order 41): 16.51,3.302 14.732,3.302 14.351,2.921 11.254,2.921 10.311,3.864 10.311,5.576 10.16,5.727 9.213,5.727 8.347,4.86 8.347,2.032 10.42,2.032 11.69,0.762 16.51,0.762
P3V3 on Top Layer "P3V3_L01_P039" (solid, pour order 39): 8.128,12.7 8.128,8.509 9.385,7.252 10.16,7.252 10.16,10.875 10.461,11.176 12.548,11.176 12.827,11.455 12.827,13.579 12.317,14.089 8.628,14.089 8.128,13.589
NetL1_2 on Top Layer "NETL1_2_L01_P038" (solid, pour order 38): 1.629,7.002 1.326,7.305 1.326,9.423 7.042,9.423 9.213,7.252 10.16,7.252 10.16,7.002
NetL1_1 on Top Layer "NETL1_1_L01_P037" (solid, pour order 37): 1.629,5.977 1.326,5.674 1.326,3.556 7.042,3.556 9.213,5.727 10.16,5.727 10.16,5.977
no net on Top Layer "Top Layer-No Net" (solid, pour order 30): 26.416,27.305
GND on Bottom Layer "Bottom Layer-GND" (solid, remove dead copper, pour order 36): -0.82,28.785 -0.82,-0.425 78.428,-0.425 78.428,28.785
GND on GND (split plane): 76.7,27.803 76.816,27.776 76.927,27.73 77.029,27.667 77.12,27.59 77.197,27.499 77.26,27.397 77.306,27.286 77.333,27.17 77.342,27.064 77.341,27.051 77.341,1.27 77.342,1.257 77.333,1.151 77.306,1.035 77.26,0.924 77.197,0.822 77.12,0.731 77.029,0.654 76.927,0.591 76.816,0.545 76.7,0.518 76.594,0.509 76.581,0.51 1.27,0.51 1.257,0.509 1.151,0.518 1.035,0.545 0.924,0.591 0.822,0.654 0.731,0.731 0.654,0.822 0.591,0.924 0.545,1.035 0.518,1.151 0.509,1.257 0.51,1.27 0.51,27.051 0.509,27.064 0.518,27.17 0.545,27.286 0.591,27.397 0.654,27.499 0.731,27.59 0.822,27.667 0.924,27.73 1.035,27.776 1.151,27.803 1.257,27.812 1.27,27.811 76.581,27.811 76.594,27.812
P3V3 on POWER (split plane): 76.7,27.803 76.816,27.776 76.927,27.73 77.029,27.667 77.12,27.59 77.197,27.499 77.26,27.397 77.306,27.286 77.333,27.17 77.342,27.064 77.341,27.051 77.341,1.27 77.342,1.257 77.333,1.151 77.306,1.035 77.26,0.924 77.197,0.822 77.12,0.731 77.029,0.654 76.927,0.591 76.816,0.545 76.7,0.518 76.594,0.509 76.581,0.51 17.858,0.51 17.858,9.301 18.639,10.082 21.082,10.082 21.112,10.088 21.137,10.105 21.772,10.74 21.789,10.765 21.795,10.795 21.795,14.224 21.789,14.254 21.772,14.279 20.883,15.168 20.858,15.185 20.828,15.191 17.526,15.191 17.496,15.185 17.471,15.168 15.947,13.644 15.93,13.619 15.924,13.589 15.924,6.604 15.924,3.924 15.38,3.38 11.521,3.38 9.766,5.135 9.741,5.152 9.711,5.158 8.128,5.158 8.098,5.152 8.073,5.135 7.819,4.881 7.184,4.246 7.167,4.221 7.161,4.191 7.161,0.51 1.27,0.51 1.257,0.509 1.151,0.518 1.035,0.545 0.924,0.591 0.822,0.654 0.731,0.731 0.654,0.822 0.591,0.924 0.545,1.035 0.518,1.151 0.509,1.257 0.51,1.27 0.51,27.051 0.509,27.064 0.518,27.17 0.545,27.286 0.591,27.397 0.654,27.499 0.731,27.59 0.822,27.667 0.924,27.73 1.035,27.776 1.151,27.803 1.257,27.812 1.27,27.811 76.581,27.811 76.594,27.812
POWER on POWER (split plane): 21.639,14.192 21.639,10.827 21.05,10.238 18.606,10.238 18.577,10.232 18.551,10.215 17.725,9.389 17.708,9.363 17.702,9.334 17.702,0.51 7.317,0.51 7.317,4.159 7.929,4.771 8.16,5.002 9.679,5.002 11.434,3.247 11.459,3.23 11.489,3.224 15.412,3.224 15.442,3.23 15.467,3.247 16.057,3.837 16.074,3.862 16.08,3.892 16.08,6.604 16.08,13.557 17.558,15.035 20.796,15.035

## Keep-outs
Keep-Out Layer:
  lines w0.152: 0,1.27 ccw(c1.27,1.27) 1.27,0 65.659,0 67.564,0 76.581,0 ccw(c76.581,1.27) 77.851,1.27 77.851,27.051 ccw(c76.581,27.051) 76.581,28.321 67.564,28.321 65.659,28.321 46.355,28.321 1.27,28.321 ccw(c1.27,27.051) 0,27.051 0,1.27

## Other copper
Top Layer:
  text "杭电信工 太极二队" at 0.508,19.939 h2.03
POWER (plane layer: these items are gaps in the copper):
  lines w0.152: 7.239,0.254 7.239,4.191 7.874,4.826 8.128,5.08 9.711,5.08 11.489,3.302 15.412,3.302 16.002,3.892 16.002,6.604 16.002,13.589 17.526,15.113 20.828,15.113 21.717,14.224 21.717,10.795 21.082,10.16 18.606,10.16 17.78,9.334 17.78,0.254 17.526,0

## Silkscreen, mask and mechanical layers (free items; w line width, h text height)
Top Overlay:
  lines w0.152: 67.208,11.756 67.843,11.121 68.478,11.756 67.208,11.756
  lines w0.203: 29.691,15.534 32.612,15.534 ; 31.977,14.899 32.612,15.534 ; 31.977,16.169 32.612,15.534
  text "OLED" at 26.924,26.67 h2.03
  text "ENC2" at 0.508,26.035 h2.03
  text "CCD" at 27.448,21.549 h2.03
  text "MCU RESET" at 59.679,21.336 h2.03
  text "ENC1" at 0.381,18.161 h2.03
  text "全部175℃" at 44.011,17.648 h2.03
  text "STC" at 26.138,16.013 h3.81
  text "8小时高温烘烤" at 44.027,15.81 h2.03
  text "TaiChi 02" at 43.815,13.081 h3.81
  text "VCC" at 66.422,12.208 h1.52
  text "E" at 57.109,12.16 h17.78
  text "高可靠质量保证" at 22.098,12.065 h2.03
  text "2020 TerayTech" at 57.404,8.128 h2.03
  text "まつり" at 57,6.219 h1.65
  text "D" at 60.175,3.171 h10.16
  text "POWER" at 21.68,1.041 h2.03 r90
Top Solder:
  text "杭电信工 太极二队" at 0.508,19.939 h2.03
Bottom Solder:
  text "2020 杭电信工 太极二队" at 63.246,3.81 h2.03
Drill Drawing:
  text ".Legend" at 82.042,1.556 h1.52

## Dimensions
77.851,27.051 to 1.27,0 on Mechanical 13